# KiCad board plz actually have soldermask.kicad_pcb (continued)
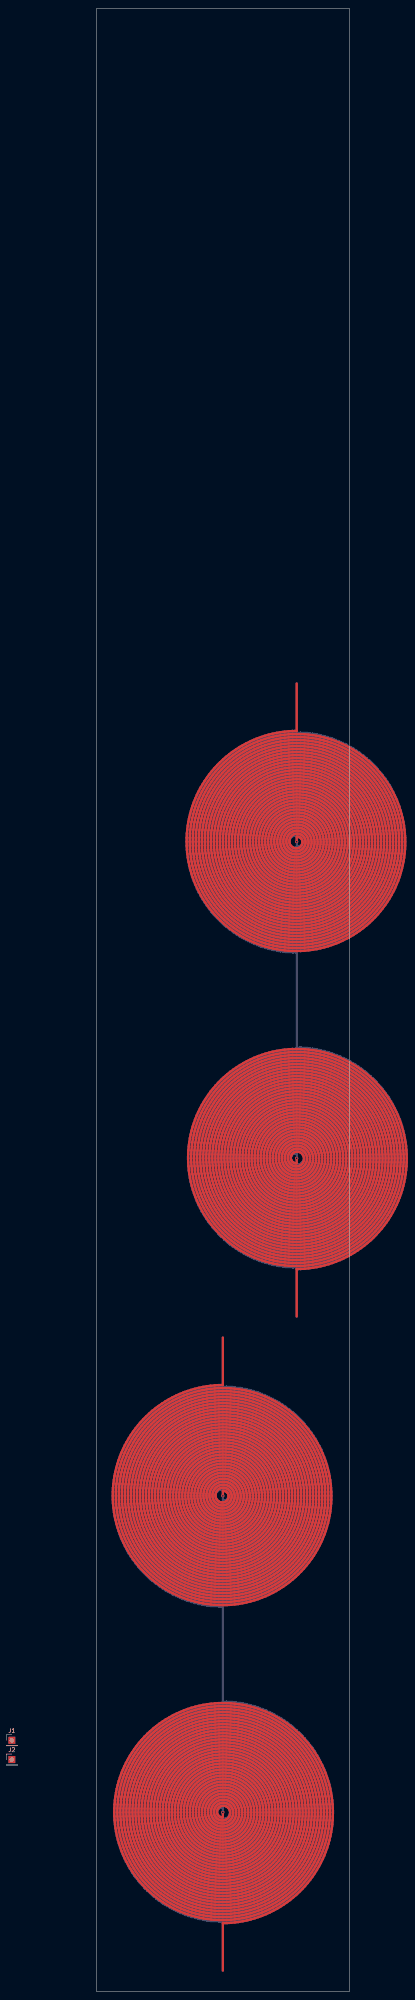
[diagram p0: board, top side]
## Routing (per net, layer and track width the routed paths; a pad name or vN(x,y) marks a point on that pad's centre or on a via; arc(x,y) is an arc through that point) (continued)
32.02,271.58 31.77,272.44 31.57,273.31 31.41,274.19 31.3,275.08 31.24,275.97 31.22,276.86 31.25,277.75 31.33,278.64 31.45,279.52 31.62,280.4 31.83,281.26 32.09,282.11 32.39,282.95 32.74,283.77 33.13,284.57 33.56,285.35 34.03,286.1 34.53,286.83 35.08,287.53 35.66,288.2 36.28,288.84 36.92,289.45 37.6,290.02 38.31,290.56 39.04,291.05 39.8,291.51 40.58,291.93 41.38,292.3 42.2,292.64 43.04,292.93 43.89,293.17 44.75,293.37 45.62,293.53 46.5,293.64 47.38,293.7 48.26,293.72 49.14,293.69 50.02,293.61 50.89,293.49 51.76,293.33 52.62,293.11 53.46,292.86 54.29,292.56 55.1,292.22 55.89,291.83 56.66,291.41 57.4,290.94 58.13,290.44 58.82,289.9 59.48,289.32 60.12,288.72 60.72,288.08 61.28,287.4 61.81,286.7 62.3,285.98 62.75,285.23 63.17,284.46 63.54,283.66 63.87,282.85 64.15,282.02 64.4,281.18 64.6,280.33 64.75,279.47 64.86,278.6 64.92,277.73 64.94,276.86 64.91,275.99 64.83,275.12 64.71,274.25 64.55,273.4 64.34,272.55 64.09,271.72 63.79,270.9 63.45,270.1 63.07,269.31 62.65,268.55 62.19,267.81 61.69,267.1 61.16,266.42 60.59,265.76 59.99,265.13 59.35,264.54 58.69,263.98 58,263.46 57.28,262.97 56.54,262.52 55.77,262.12 54.99,261.75 54.19,261.42 53.37,261.14 52.54,260.9 51.69,260.7 50.84,260.55 49.99,260.44 49.12,260.38 48.26,260.37 47.37,260.4 46.48,260.48 45.59,260.6 44.72,260.78 43.86,261 43.01,261.27 42.17,261.58 41.36,261.94 40.56,262.34 39.79,262.78 39.04,263.27 38.32,263.79 37.63,264.35 36.98,264.95 36.35,265.58 35.77,266.25 35.21,266.94 34.7,267.67 34.23,268.42 33.8,269.19 33.41,269.99 33.07,270.81 32.77,271.64 32.51,272.49 32.3,273.35 32.14,274.22 32.03,275.09 31.97,275.98 31.95,276.86 31.98,277.74 32.06,278.62 32.18,279.5 32.35,280.36 32.57,281.22 32.84,282.06 33.15,282.88 33.5,283.69 33.9,284.47 34.34,285.24 34.82,285.98 35.33,286.69 35.89,287.37 36.48,288.02 37.11,288.63 37.76,289.22 38.45,289.76 39.17,290.27 39.91,290.74 40.68,291.16 41.47,291.55 42.27,291.89 43.1,292.18 43.94,292.43 44.79,292.64 45.65,292.8 46.51,292.91 47.39,292.97 48.26,292.99 49.13,292.96 50,292.88 50.87,292.76 51.72,292.59 52.57,292.37 53.4,292.11 54.21,291.8 55.01,291.45 55.79,291.06 56.54,290.63 57.27,290.15 57.98,289.64 58.65,289.09 59.29,288.51 59.9,287.89 60.48,287.24 61.02,286.56 61.52,285.85 61.98,285.11 62.4,284.36 62.78,283.58 63.12,282.78 63.41,281.96 63.66,281.14 63.86,280.29 64.02,279.44 64.13,278.59 64.19,277.72 64.21,276.86 64.18,276 64.1,275.14 63.98,274.28 63.81,273.44 63.6,272.6 63.34,271.78 63.04,270.97 62.69,270.18 62.3,269.42 61.87,268.67 61.4,267.95 60.9,267.25 60.35,266.59 59.78,265.95 59.16,265.35 58.52,264.78 57.85,264.25 57.15,263.75 56.42,263.3 55.67,262.88 54.9,262.5 54.11,262.17 53.31,261.88 52.49,261.64 51.65,261.44 50.81,261.28 49.97,261.17 49.11,261.11 48.26,261.09 47.38,261.12 46.5,261.21 45.62,261.33 44.76,261.51 43.9,261.74 43.07,262.01 42.24,262.34 41.44,262.7 40.66,263.11 39.91,263.56 39.18,264.06 38.48,264.59 37.81,265.17 37.18,265.78 36.58,266.42 36.01,267.09 35.49,267.8 35.01,268.53 34.57,269.29 34.17,270.08 33.82,270.88 33.51,271.7 33.25,272.54 33.04,273.39 32.88,274.25 32.76,275.11 32.69,275.99 32.67,276.86 32.71,277.73 32.79,278.6 32.91,279.47 33.09,280.32 33.32,281.17 33.59,281.99 33.9,282.81 34.26,283.6 34.67,284.37 35.12,285.12 35.61,285.84 36.14,286.53 36.7,287.19 37.3,287.82 37.94,288.41 38.61,288.96 39.31,289.48 40.03,289.96 40.78,290.39 41.55,290.78 42.35,291.13 43.16,291.44 43.99,291.69 44.83,291.9 45.68,292.07 46.53,292.18 47.4,292.25 48.26,292.26 49.12,292.23 49.98,292.15 50.84,292.03 51.68,291.85 52.52,291.63 53.33,291.36 54.14,291.05 54.92,290.69 55.68,290.29 56.42,289.85 57.13,289.36 57.82,288.84 58.47,288.28 59.09,287.69 59.67,287.06 60.22,286.4 60.73,285.71 61.2,284.99 61.63,284.25 62.02,283.49 62.37,282.7 62.66,281.9 62.92,281.08 63.13,280.25 63.29,279.41 63.4,278.57 63.46,277.71 63.48,276.86 63.45,276.01 63.37,275.16 63.25,274.31 63.07,273.48 62.86,272.66 62.59,271.85 62.28,271.05 61.93,270.28 61.53,269.53 61.09,268.8 60.62,268.09 60.1,267.42 59.55,266.77 58.96,266.16 58.34,265.58 57.69,265.04 57,264.54 56.3,264.07 55.56,263.65 54.81,263.26 54.03,262.92 53.24,262.63 52.43,262.38 51.61,262.17 50.78,262.01 49.95,261.9 49.1,261.84 48.26,261.82 47.39,261.85 46.52,261.94 45.65,262.07 44.8,262.25 43.96,262.48 43.13,262.76 42.32,263.09 41.53,263.47 40.77,263.89 40.03,264.35 39.32,264.86 38.64,265.4 38,265.98 37.39,266.6 36.82,267.26 36.28,267.94 35.79,268.66 35.34,269.4 34.93,270.17 34.57,270.96 34.26,271.76 33.99,272.59 33.78,273.43 33.61,274.28 33.49,275.13 33.42,276 33.4,276.86 33.43,277.72 33.52,278.58 33.65,279.44 33.83,280.28 34.06,281.11 34.34,281.93 34.66,282.73 35.03,283.5 35.44,284.26 35.9,284.99 36.4,285.69 36.94,286.36 37.52,287 38.13,287.6 38.77,288.16 39.45,288.69 40.16,289.18 40.89,289.62 41.65,290.02 42.43,290.38 43.23,290.69 44.04,290.95 44.87,291.17 45.71,291.33 46.55,291.45 47.41,291.52 48.26,291.54 49.11,291.5 49.96,291.42 50.81,291.29 51.64,291.11 52.46,290.89 53.27,290.61 54.05,290.29 54.82,289.93 55.57,289.52 56.29,289.07 56.98,288.57 57.64,288.04 58.27,287.47 58.87,286.87 59.43,286.23 59.95,285.56 60.43,284.86 60.87,284.14 61.26,283.39 61.61,282.62 61.92,281.83 62.18,281.03 62.39,280.21 62.55,279.38 62.67,278.54 62.74,277.7 62.75,276.86 62.72,276.02 62.64,275.18 62.51,274.35 62.34,273.52 62.11,272.71 61.84,271.92 61.53,271.14 61.16,270.38 60.76,269.64 60.31,268.93 59.83,268.25 59.3,267.59 58.74,266.97 58.14,266.39 57.51,265.83 56.85,265.32 56.16,264.85 55.45,264.41 54.71,264.02 53.95,263.67 53.17,263.37 52.37,263.12 51.57,262.91 50.75,262.74 49.92,262.63 49.09,262.56 48.26,262.55 47.4,262.58 46.54,262.67 45.68,262.8 44.84,262.99 44.01,263.23 43.2,263.52 42.41,263.85 41.63,264.24 40.89,264.67 40.17,265.14 39.48,265.65 38.82,266.21 38.2,266.8 37.62,267.43 37.08,268.1 36.57,268.79 36.11,269.52 35.7,270.27 35.33,271.04 35.01,271.83 34.74,272.65 34.51,273.47 34.34,274.31 34.22,275.15 34.15,276.01 34.13,276.86 34.16,277.71 34.25,278.56 34.38,279.4 34.57,280.24 34.8,281.05 35.09,281.86 35.42,282.64 35.8,283.4 36.22,284.14 36.69,284.85 37.2,285.53 37.75,286.18 38.33,286.79 38.95,287.36 39.61,287.9 40.3,288.4 41.01,288.85 41.75,289.26 42.51,289.63 43.3,289.94 44.1,290.21 44.91,290.43 45.74,290.6 46.58,290.72 47.42,290.79 48.26,290.81 49.1,290.78 49.94,290.69 50.77,290.56 51.59,290.38 52.4,290.14 53.19,289.86 53.96,289.54 54.72,289.16 55.44,288.74 56.14,288.28 56.82,287.78 57.45,287.24 58.06,286.66 58.63,286.05 59.16,285.4 59.65,284.72 60.1,284.02 60.5,283.28 60.86,282.53 61.17,281.76 61.44,280.97 61.65,280.16 61.82,279.35 61.94,278.52 62.01,277.69 62.03,276.86 62,276.03 61.91,275.2 61.78,274.38 61.6,273.57 61.37,272.77 61.09,271.99 60.77,271.23 60.4,270.49 59.99,269.77 59.53,269.08 59.04,268.42 58.5,267.79 57.93,267.19 57.32,266.63 56.69,266.1 56.02,265.62 55.32,265.18 54.6,264.78 53.86,264.43 53.09,264.12 52.31,263.86 51.52,263.64 50.71,263.48 49.9,263.36 49.08,263.29 48.26,263.27 47.41,263.31 46.56,263.4 45.72,263.54 44.89,263.73 44.07,263.97 43.27,264.27 42.5,264.61 41.74,265.01 41.02,265.44 40.32,265.93 39.65,266.45 39.02,267.02 38.43,267.62 37.87,268.26 37.36,268.94 36.89,269.64 36.46,270.37 36.09,271.13 35.76,271.91 35.48,272.71 35.25,273.52 35.07,274.34 34.95,275.18 34.87,276.02 34.86,276.86 34.89,277.7 34.98,278.54 35.11,279.37 35.31,280.19 35.55,280.99 35.84,281.78 36.18,282.55 36.56,283.29 37,284.01 37.47,284.7 37.99,285.35 38.55,285.98 39.15,286.56 39.78,287.11 40.45,287.62 41.14,288.08 41.86,288.5 42.61,288.87 43.38,289.19 44.16,289.47 44.96,289.7 45.78,289.87 46.6,289.99 47.43,290.06 48.26,290.08 49.09,290.05 49.92,289.96 50.73,289.83 51.54,289.64 52.33,289.4 53.11,289.11 53.87,288.78 54.6,288.4 55.31,287.97 55.99,287.5 56.64,286.99 57.25,286.44 57.83,285.85 58.37,285.22 58.87,284.57 59.33,283.88 59.74,283.17 60.11,282.43 60.43,281.68 60.7,280.9 60.92,280.11 61.09,279.31 61.21,278.5 61.28,277.68 61.3,276.86 61.27,276.04 61.18,275.23 61.05,274.42 60.86,273.62 60.63,272.84 60.34,272.08 60.01,271.33 59.64,270.61 59.22,269.91 58.75,269.24 58.25,268.6 57.7,267.99 57.12,267.42 56.51,266.89 55.86,266.4 55.19,265.95 54.48,265.54 53.76,265.18 53.01,264.86 52.24,264.6 51.47,264.38 50.67,264.21 49.87,264.09 49.07,264.02 48.26,264 47.42,264.04 46.58,264.13 45.76,264.27 44.94,264.47 44.14,264.72 43.36,265.02 42.6,265.37 41.86,265.78 41.15,266.22 40.48,266.72 39.84,267.25 39.23,267.83 38.67,268.45 38.14,269.1 37.66,269.78 37.23,270.49 36.84,271.23 36.51,271.99 36.22,272.77 35.99,273.57 35.8,274.38 35.68,275.2 35.6,276.03 35.58,276.86 35.62,277.69 35.71,278.51 35.85,279.33 36.04,280.13 36.29,280.92 36.59,281.69 36.94,282.44 37.33,283.17 37.78,283.87 38.26,284.53 38.79,285.16 39.36,285.76 39.97,286.32 40.61,286.83 41.28,287.31 41.98,287.73 42.71,288.11 43.46,288.45 44.23,288.73 45.02,288.96 45.82,289.14 46.63,289.26 47.44,289.34 48.26,289.36 49.08,289.32 49.89,289.23 50.69,289.09 51.49,288.9 52.26,288.66 53.02,288.36 53.76,288.02 54.48,287.63 55.16,287.19 55.82,286.71 56.44,286.19 57.03,285.63 57.58,285.03 58.09,284.4 58.56,283.74 58.98,283.05 59.35,282.33 59.68,281.59 59.96,280.83 60.18,280.05 60.36,279.27 60.48,278.47 60.55,277.67 60.57,276.86 60.54,276.06 60.45,275.25 60.31,274.46 60.12,273.68 59.88,272.91 59.59,272.17 59.26,271.44 58.87,270.73 58.44,270.06 57.97,269.41 57.46,268.8 56.9,268.22 56.31,267.68 55.69,267.17 55.04,266.72 54.36,266.3 53.65,265.93 52.92,265.61 52.17,265.34 51.41,265.11 50.63,264.94 49.85,264.82 49.05,264.75 48.26,264.73 47.43,264.76 46.61,264.86 45.8,265 45,265.21 44.21,265.47 43.45,265.78 42.7,266.14 41.99,266.55 41.3,267.01 40.65,267.51 40.04,268.06 39.46,268.64 38.93,269.27 38.44,269.93 38,270.62 37.6,271.34 37.26,272.08 36.96,272.84 36.72,273.63 36.54,274.42 36.41,275.23 36.33,276.04 36.31,276.86 36.35,277.67 36.44,278.49 36.58,279.29 36.78,280.08 37.04,280.85 37.34,281.6 37.7,282.33 38.1,283.04 38.56,283.71 39.05,284.35 39.59,284.96 40.17,285.52 40.78,286.05 41.43,286.53 42.11,286.97 42.82,287.36 43.55,287.7 44.31,287.99 45.08,288.22 45.86,288.41 46.66,288.53 47.46,288.61 48.26,288.63 49.06,288.59 49.86,288.5 50.65,288.36 51.43,288.16 52.19,287.91 52.93,287.61 53.65,287.26 54.34,286.86 55.01,286.42 55.64,285.93 56.23,285.4 56.79,284.83 57.31,284.22 57.78,283.58 58.21,282.91 58.6,282.22 58.93,281.5 59.21,280.75 59.45,279.99 59.63,279.22 59.75,278.44 59.83,277.65 59.85,276.86 59.81,276.07 59.72,275.28 59.58,274.51 59.39,273.74 59.14,272.99 58.84,272.26 58.5,271.55 58.11,270.87 57.67,270.22 57.19,269.6 56.66,269.01 56.1,268.46 55.51,267.95 54.88,267.48 54.22,267.06 53.53,266.68 52.82,266.36 52.09,266.08 51.35,265.85 50.59,265.67 49.82,265.55 49.04,265.47 48.26,265.45 47.45,265.49 46.64,265.59 45.84,265.74 45.06,265.95 44.29,266.21 43.54,266.53 42.82,266.9 42.13,267.32 41.47,267.79 40.85,268.3 40.26,268.86 39.72,269.46 39.22,270.09 38.76,270.76 38.36,271.45 38.01,272.18 37.71,272.92 37.46,273.69 37.27,274.47 37.13,275.26 37.06,276.06 37.04,276.86 37.07,277.66 37.17,278.45 37.32,279.24 37.52,280.01 37.78,280.77 38.1,281.5 38.46,282.21 38.87,282.89 39.33,283.54 39.84,284.16 40.39,284.73 40.98,285.27 41.6,285.76 42.25,286.2 42.94,286.6 43.65,286.95 44.39,287.24 45.14,287.49 45.91,287.67 46.69,287.81 47.47,287.88 48.26,287.9 49.05,287.87 49.83,287.77 50.6,287.62 51.36,287.42 52.1,287.17 52.83,286.86 53.52,286.5 54.19,286.09 54.83,285.64 55.44,285.14 56,284.6 56.53,284.03 57.01,283.41 57.45,282.77 57.84,282.09 58.18,281.39 58.47,280.67 58.71,279.93 58.9,279.17 59.03,278.41 59.1,277.64 59.12,276.86 59.08,276.09 58.99,275.32 58.85,274.56 58.65,273.81 58.4,273.08 58.09,272.37 57.74,271.68 57.34,271.02 56.89,270.4 56.4,269.8 55.87,269.25 55.31,268.73 54.7,268.25 54.07,267.82 53.41,267.44 52.72,267.1 52.01,266.82 51.28,266.58 50.54,266.4 49.78,266.27 49.02,266.2 48.26,266.18 47.46,266.22 46.67,266.32 45.89,266.48 45.12,266.69 44.37,266.96 43.65,267.29 42.95,267.67 42.28,268.09 41.65,268.57 41.06,269.1 40.5,269.66 39.99,270.27 39.53,270.91 39.12,271.58 38.76,272.28 38.45,273.01 38.2,273.76 38,274.52 37.86,275.29 37.78,276.07 37.76,276.86 37.8,277.64 37.9,278.42 38.05,279.19 38.26,279.94 38.53,280.68 38.85,281.39 39.22,282.08 39.64,282.73 40.11,283.36 40.63,283.94 41.19,284.48 41.78,284.99 42.41,285.44 43.07,285.85 43.76,286.2 44.48,286.5 45.21,286.75 45.96,286.94 46.72,287.08 47.49,287.15 48.26,287.17 49.03,287.14 49.79,287.04 50.55,286.89 51.29,286.68 52.01,286.42 52.71,286.11 53.39,285.74 54.03,285.33 54.64,284.86 55.22,284.36 55.75,283.81 56.24,283.23 56.69,282.61 57.09,281.96 57.44,281.28 57.73,280.58 57.98,279.86 58.16,279.12 58.3,278.37 58.37,277.62 58.39,276.86 58.36,276.1 58.26,275.35 58.11,274.61 57.91,273.88 57.65,273.17 57.34,272.49 56.98,271.82 56.57,271.19 56.12,270.59 55.62,270.03 55.09,269.5 54.51,269.02 53.9,268.58 53.27,268.19 52.6,267.85 51.91,267.56 51.2,267.32 50.48,267.13 49.75,267 49,266.93 48.26,266.91 47.48,266.95 46.71,267.05 45.94,267.21 45.2,267.43 44.47,267.71 43.77,268.04 43.09,268.43 42.45,268.87 41.85,269.36 41.29,269.89 40.77,270.46 40.3,271.08 39.88,271.72 39.51,272.4 39.19,273.1 38.93,273.83 38.73,274.57 38.59,275.33 38.51,276.09 38.49,276.86 38.53,277.63 38.63,278.39 38.79,279.13 39,279.87 39.28,280.58 39.6,281.27 39.98,281.93 40.42,282.56 40.89,283.15 41.42,283.7 41.98,284.21 42.58,284.68 43.22,285.09 43.88,285.45 44.57,285.76 45.29,286.01 46.02,286.21 46.76,286.35 47.51,286.43 48.26,286.45 49.01,286.41 49.76,286.31 50.49,286.16 51.21,285.94 51.91,285.68 52.59,285.35 53.24,284.98 53.85,284.56 54.43,284.09 54.98,283.58 55.47,283.02 55.93,282.43 56.33,281.81 56.69,281.15 56.99,280.48 57.24,279.78 57.43,279.06 57.57,278.33 57.65,277.6 57.67,276.86 57.63,276.12 57.53,275.39 57.38,274.67 57.17,273.96 56.91,273.28 56.59,272.61 56.23,271.98 55.81,271.37 55.35,270.8 54.85,270.27 54.3,269.78 53.72,269.34 53.11,268.94 52.47,268.59 51.81,268.3 51.12,268.05 50.42,267.86 49.71,267.73 48.98,267.66 48.26,267.64 47.5,267.68 46.74,267.78 46,267.95 45.28,268.17 44.57,268.46 43.9,268.8 43.25,269.19 42.64,269.64 42.07,270.14 41.54,270.68 41.06,271.26 40.63,271.88 40.26,272.53 39.94,273.21 39.67,273.91 39.47,274.63 39.32,275.37 39.24,276.11 39.22,276.86 39.26,277.61 39.36,278.35 39.52,279.07 39.74,279.78 40.02,280.47 40.36,281.14 40.75,281.77 41.18,282.37 41.67,282.93 42.2,283.44 42.77,283.91 43.38,284.33 44.02,284.7 44.68,285.02 45.37,285.28 46.08,285.48 46.8,285.62 47.53,285.7 48.26,285.72 48.99,285.68 49.72,285.58 50.43,285.42 51.12,285.2 51.8,284.93 52.45,284.6 53.07,284.22 53.66,283.79 54.2,283.32 54.71,282.8 55.17,282.24 55.58,281.64 55.94,281.02 56.25,280.37 56.5,279.69 56.7,279 56.84,278.29 56.92,277.58 56.94,276.86 56.9,276.14 56.8,275.43 56.65,274.74 56.43,274.05 56.16,273.39 55.84,272.76 55.47,272.15 55.05,271.58 54.58,271.04 54.07,270.55 53.53,270.09 52.94,269.69 52.33,269.34 51.69,269.03 51.03,268.79 50.35,268.6 49.66,268.46 48.96,268.38 48.26,268.36 47.52,268.41 46.79,268.51 46.07,268.68 45.37,268.91 44.69,269.2 44.04,269.55 43.43,269.96 42.85,270.41 42.32,270.92 41.83,271.46 41.39,272.05 41.01,272.67 40.68,273.32 40.41,274 40.2,274.7 40.05,275.41 39.97,276.13 39.94,276.86 39.99,277.58 40.09,278.3 40.26,279 40.48,279.69 40.77,280.35 41.11,280.99 41.51,281.59 41.95,282.15 42.44,282.68 42.98,283.15 43.55,283.58 44.16,283.96 44.8,284.28 45.46,284.54 46.15,284.75 46.84,284.89 47.55,284.97 48.26,284.99 48.97,284.95 49.67,284.85 50.36,284.69 51.03,284.47 51.68,284.19 52.3,283.85 52.88,283.46 53.44,283.03 53.95,282.55 54.41,282.02 54.83,281.46 55.2,280.87 55.51,280.24 55.77,279.59 55.97,278.93 56.11,278.24 56.19,277.55 56.21,276.86 56.17,276.17 56.07,275.48 55.91,274.81 55.69,274.15 55.42,273.52 55.09,272.91 54.72,272.34 54.29,271.8 53.82,271.3 53.31,270.85 52.76,270.44 52.18,270.08 51.57,269.77 50.93,269.52 50.28,269.33 49.61,269.19 48.94,269.11 48.26,269.09 47.54,269.13 46.84,269.24 46.14,269.42 45.47,269.65 44.82,269.95 44.2,270.31 43.62,270.72 43.08,271.18 42.59,271.69 42.14,272.24 41.75,272.83 41.42,273.45 41.14,274.1 40.93,274.77 40.78,275.46 40.69,276.16 40.67,276.86 40.71,277.56 40.82,278.25 40.99,278.93 41.22,279.59 41.52,280.22 41.86,280.82 42.26,281.39 42.72,281.91 43.21,282.4 43.75,282.83 44.33,283.21 44.93,283.54 45.57,283.81 46.22,284.01 46.9,284.16 47.58,284.25 48.26,284.27 48.94,284.22 49.62,284.12 50.28,283.95 50.92,283.73 51.54,283.44 52.13,283.1 52.68,282.71 53.19,282.27 53.66,281.78 54.09,281.26 54.46,280.7 54.78,280.1 55.04,279.49 55.24,278.85 55.38,278.19 55.46,277.53 55.48,276.86 55.44,276.19 55.34,275.54 55.18,274.89 54.96,274.27 54.68,273.66 54.35,273.09 53.97,272.55 53.54,272.05 53.06,271.59 52.55,271.18 52,270.82 51.42,270.51 50.82,270.25 50.2,270.06 49.56,269.92 48.91,269.84 48.26,269.82 47.57,269.86 46.89,269.97 46.23,270.15 45.58,270.4 44.97,270.7 44.38,271.06 43.84,271.48 43.34,271.94 42.89,272.46 42.5,273.01 42.16,273.6 41.88,274.22 41.66,274.86 41.51,275.52 41.42,276.19 41.4,276.86 41.44,277.53 41.55,278.19 41.73,278.84 41.96,279.47 42.26,280.07 42.61,280.63 43.02,281.16 43.47,281.65 43.97,282.08 44.51,282.47 45.08,282.8 45.69,283.07 46.31,283.28 46.95,283.43 47.6,283.52 48.26,283.54 48.91,283.5 49.56,283.39 50.19,283.22 50.8,282.99 51.38,282.7 51.93,282.36 52.45,281.96 52.92,281.52 53.34,281.03 53.72,280.51 54.04,279.95 54.31,279.36 54.51,278.76 54.66,278.13 54.74,277.5 54.76,276.86 54.72,276.22 54.61,275.6 54.45,274.98 54.22,274.39 53.94,273.82 53.61,273.29 53.22,272.79 52.79,272.33 52.32,271.92 51.81,271.55 51.26,271.24 50.69,270.98 50.1,270.78 49.5,270.64 48.88,270.56 48.26,270.54 47.6,270.59 46.95,270.71 46.32,270.89 45.71,271.13 45.13,271.44 44.59,271.81 44.09,272.23 43.64,272.7 43.24,273.21 42.9,273.76 42.61,274.35 42.39,274.95 42.24,275.58 42.15,276.22 42.13,276.86 42.17,277.5 42.28,278.13 42.46,278.74 42.7,279.34 43,279.9 43.36,280.42 43.76,280.91 44.22,281.35 44.72,281.73 45.25,282.07 45.82,282.34 46.41,282.56 47.02,282.71 47.64,282.79 48.26,282.81 48.88,282.77 49.49,282.66 50.09,282.49 50.66,282.25 51.21,281.96 51.72,281.62 52.19,281.22 52.61,280.78 52.99,280.29 53.31,279.78 53.58,279.23 53.78,278.65 53.93,278.06 54.01,277.46 54.03,276.86 53.99,276.26 53.88,275.67 53.71,275.09 53.49,274.53 53.21,274 52.87,273.51 52.49,273.06 52.06,272.64 51.59,272.28 51.08,271.97 50.55,271.71 50,271.51 49.43,271.37 48.85,271.29 48.26,271.27 47.64,271.32 47.02,271.44 46.43,271.62 45.86,271.87 45.32,272.18 44.82,272.55 44.37,272.97 43.97,273.44 43.63,273.95 43.34,274.49 43.12,275.06 42.96,275.65 42.87,276.25 42.85,276.86 42.9,277.46 43.01,278.06 43.19,278.63 43.44,279.18 43.74,279.7 44.09,280.18 44.5,280.62 44.95,281.01 45.45,281.34 45.97,281.61 46.52,281.83 47.09,281.98 47.67,282.07 48.26,282.09 48.84,282.04 49.42,281.93 49.97,281.76 50.5,281.52 51.01,281.23 51.47,280.88 51.89,280.49 52.26,280.05 52.59,279.58 52.85,279.07 53.06,278.54 53.2,277.99 53.28,277.43 53.3,276.86 53.26,276.3 53.15,275.74 52.98,275.21 52.76,274.69 52.48,274.21 52.14,273.76 51.76,273.36 51.34,273 50.88,272.69 50.39,272.43 49.88,272.23 49.35,272.09 48.81,272.02 48.26,272 47.68,272.05 47.1,272.17 46.55,272.35 46.03,272.6 45.54,272.92 45.09,273.28 44.69,273.7 44.35,274.16 44.07,274.66 43.84,275.19 43.69,275.73 43.6,276.29 43.58,276.86 43.63,277.42 43.74,277.97 43.92,278.5 44.17,279.01 44.47,279.48 44.82,279.91 45.22,280.29 45.66,280.62 46.14,280.89 46.65,281.11 47.18,281.25 47.72,281.34 48.26,281.36 48.8,281.31 49.33,281.2 49.84,281.03 50.32,280.79 50.78,280.5 51.19,280.16 51.55,279.78 51.87,279.35 52.13,278.89 52.34,278.41 52.48,277.9 52.56,277.38 52.58,276.86 52.53,276.34 52.42,275.83 52.26,275.34 52.03,274.88 51.76,274.45 51.43,274.05 51.06,273.7 50.65,273.4 50.21,273.15 49.74,272.95 49.26,272.82 48.76,272.74 48.26,272.73 47.72,272.78 47.2,272.9 46.69,273.08 46.22,273.33 45.79,273.64 45.4,274 45.06,274.41 44.78,274.85 44.57,275.33 44.41,275.83 44.33,276.34 44.31,276.86 44.36,277.37 44.47,277.88 44.65,278.36 44.89,278.81 45.18,279.22 45.53,279.59 45.92,279.91 46.34,280.18 46.8,280.39 47.28,280.53 47.77,280.61 48.26,280.63 48.75,280.58 49.23,280.47 49.69,280.3 50.12,280.07 50.51,279.79 50.86,279.46 51.17,279.09 51.42,278.69 51.62,278.25 51.76,277.8 51.83,277.33 51.85,276.86 51.8,276.39 51.7,275.94 51.53,275.5 51.32,275.1 51.05,274.72 50.73,274.39 50.38,274.1 49.99,273.86 49.58,273.67 49.15,273.54 48.71,273.47 48.26,273.45 47.78,273.5 47.31,273.62 46.86,273.81 46.45,274.05 46.08,274.35 45.76,274.69 45.49,275.08 45.28,275.5 45.13,275.94 45.05,276.4 45.03,276.86 45.08,277.32 45.2,277.76 45.37,278.18 45.6,278.57 45.88,278.92 46.21,279.22 46.58,279.48 46.97,279.67 47.39,279.81 47.82,279.89 48.26,279.9 48.69,279.86 49.11,279.75 49.5,279.58 49.87,279.37 50.2,279.1 50.49,278.79 50.72,278.44 50.91,278.07 51.04,277.68 51.11,277.27 51.12,276.86 51.08,276.45 50.98,276.06 50.82,275.69 50.61,275.35 50.36,275.04 50.07,274.77 49.75,274.55 49.39,274.38 49.02,274.26 48.64,274.19 48.26,274.18 47.84,274.23 47.44,274.34 47.07,274.52 46.73,274.75 46.43,275.03 46.18,275.35 45.98,275.7 45.85,276.08 45.77,276.47 45.76,276.86 45.81,277.25 45.92,277.62 46.08,277.97 46.3,278.29 46.56,278.56 46.86,278.79 47.18,278.97 47.53,279.1 47.89,279.17 48.26,279.18 48.62,279.13 48.96,279.03 49.29,278.88 49.58,278.68 49.83,278.43 50.05,278.16 50.21,277.85 50.33,277.53 50.39,277.2 50.4,276.86 50.35,276.53 50.26,276.21 50.11,275.92 49.93,275.65 49.71,275.41 49.45,275.22 49.17,275.07 48.88,274.97 48.57,274.91 48.26,274.91 47.92,274.96 47.61,275.06 47.31,275.22 47.06,275.43 46.84,275.67 46.67,275.94 46.56,276.24 46.49,276.55 46.49,276.86 46.53,277.16 46.63,277.45 46.78,277.72 46.96,277.95 47.19,278.14 47.43,278.29 47.7,278.39 47.98,278.45 48.26,278.45 48.53,278.41 48.79,278.32 49.02,278.18 49.23,278.02 49.4,277.82 49.53,277.59 49.62,277.36 49.67,277.11 49.67,276.86 49.63,276.62 49.55,276.39 49.43,276.19 49.28,276.01 49.1,275.86 48.9,275.74 48.69,275.67 48.48,275.63 48.26,275.63 v1(48.26,276.86)
